# Allegro board BeagleBone_AI-64_Rev_B1_PCB_220602.brd (continued)
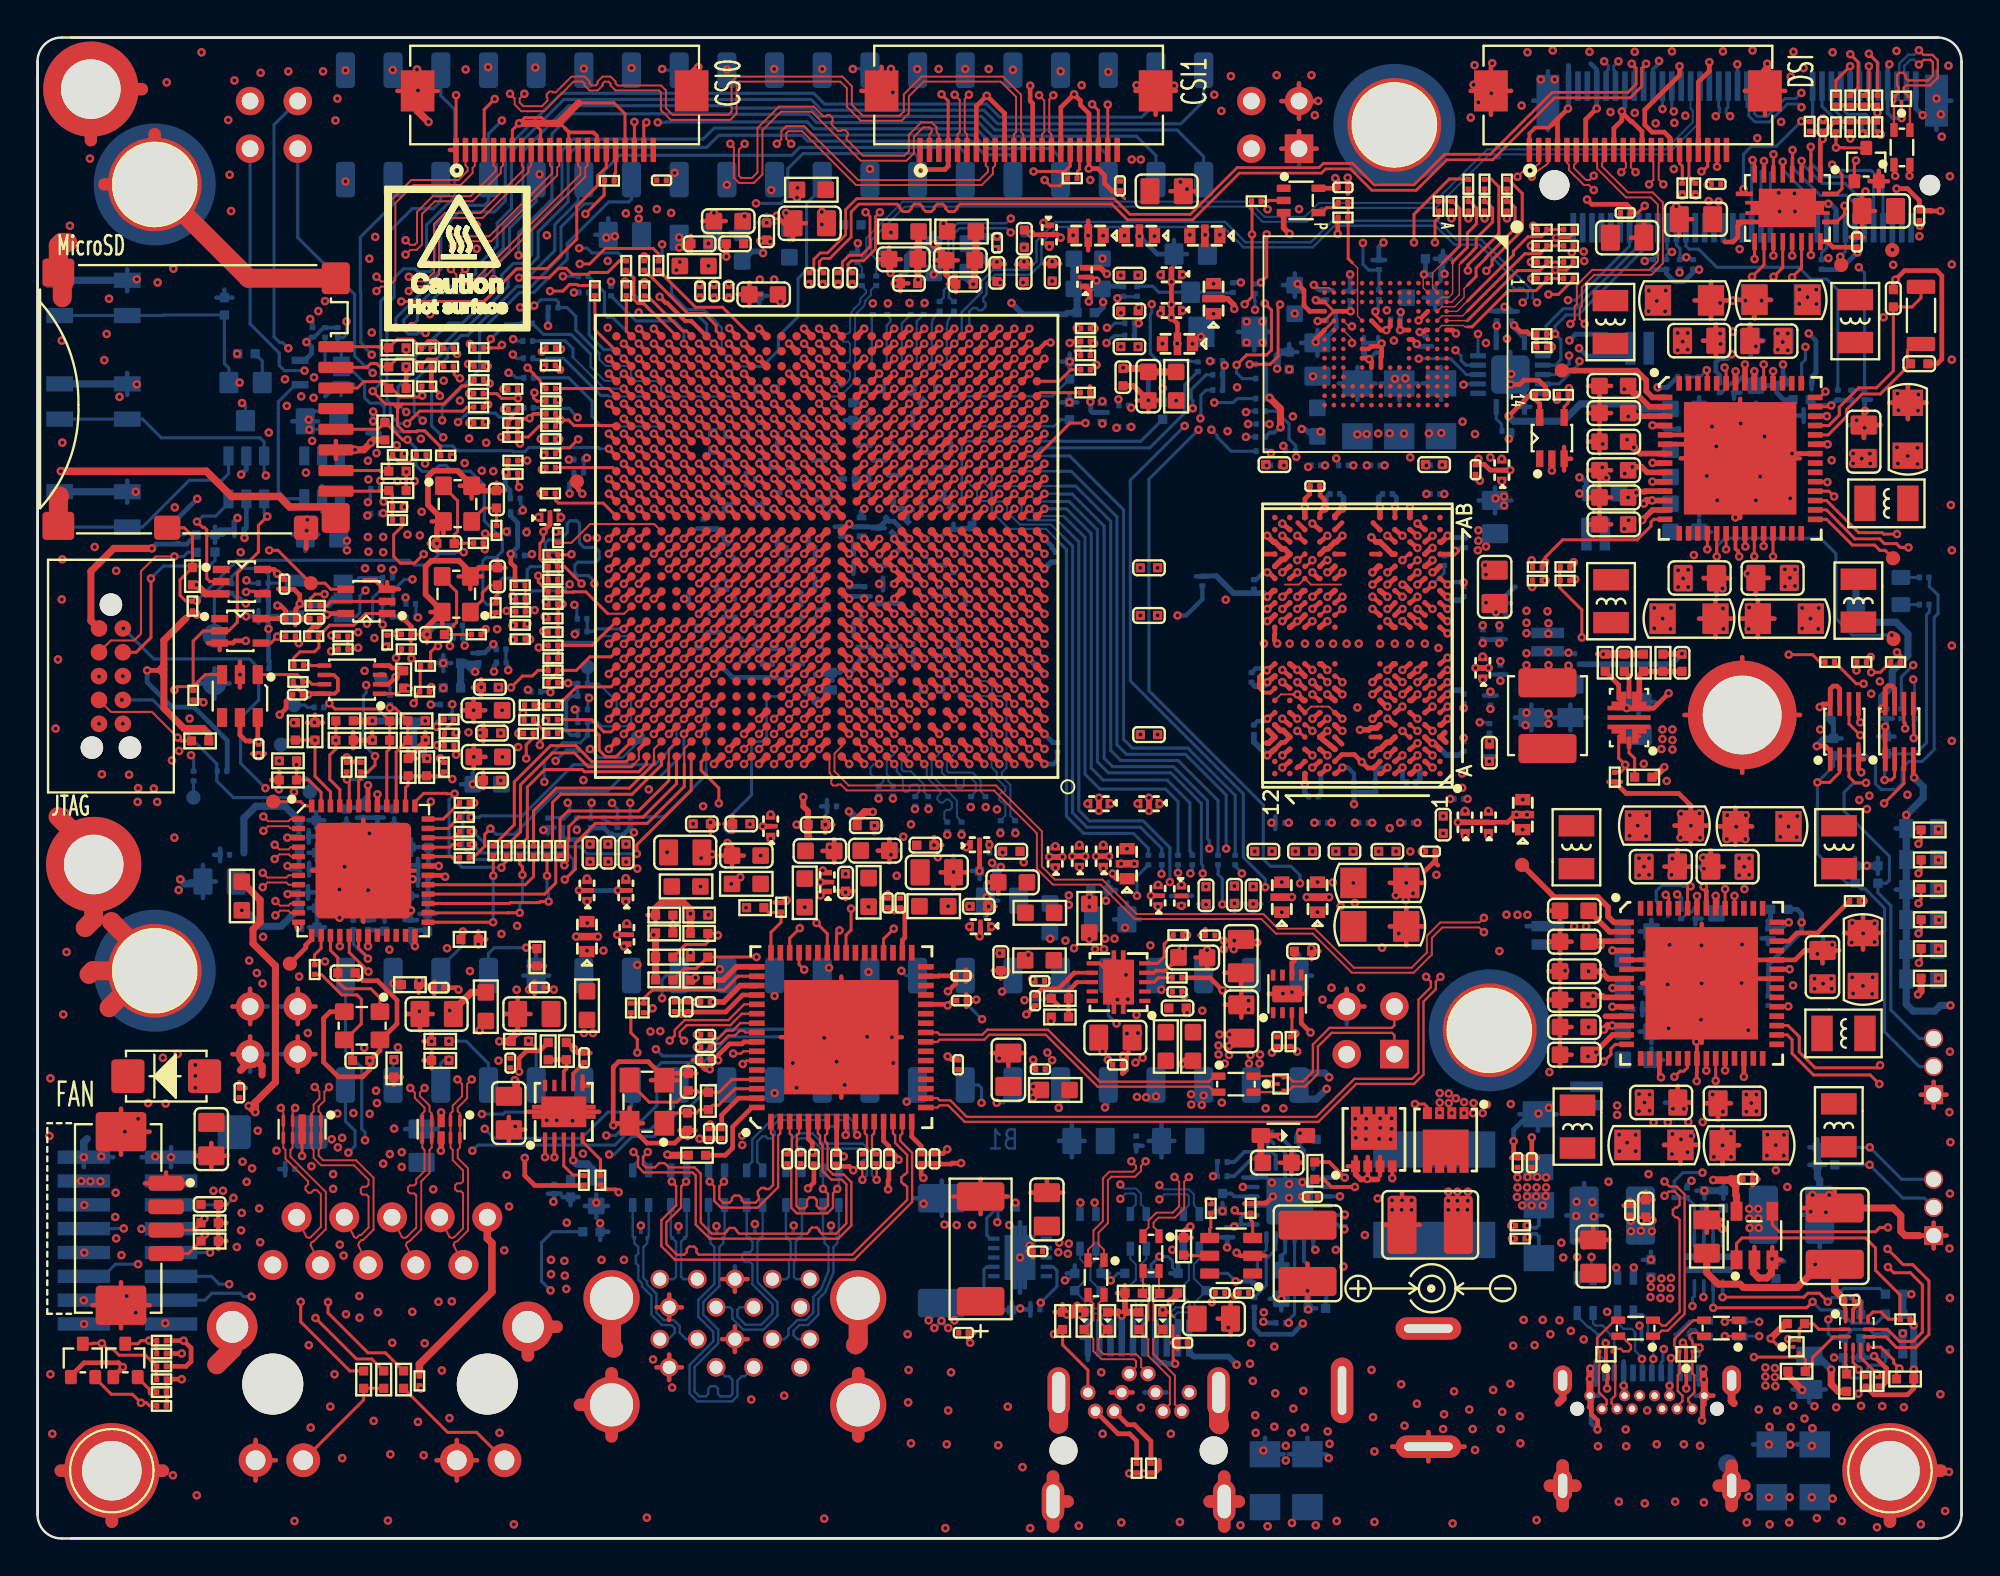
[diagram p0: board, top side]
## Nets (continued)
TX_D1: R249.2 U15.27
TX_D2: R237.2 U15.26
TX_D3: R225.2 U15.25
TXD: R375.2 U31.5
TYPEC_VBUS_5V: C11.1 C21.1 J5.A4 J5.A9 J5.B4 J5.B9(VBUS#B9) R306.1 R354.1 R355.1 U1.2
U2_AF28: P9.28 R69.2 R131.2
U2_SPI7_CS0: R69.1 U19.U2
U3_AB26: P9.31 R77.2 R254.2
U3_SPI7_CLK: R77.1 U19.U3
U23_MCASP10_ACLKX: U19.U23 U32.20
U24_EHRPWM2_B: P9.16 U19.U24
U25_MCASP10_AXR3: U19.U25 U32.16
U26_MCASP10_AFSX: U19.U26 U32.18
U27_EHRPWM2_A: P9.14 U19.U27
U28_EHRPWM1_A: R151.1 U19.U28
U29_EHRPWM1_B: R250.1 U19.U29
U29_FB_B4: R18.1 R23.2 U29.50
U30_FB_B3: R13.1 R15.2 U30.49
UART0_RXD: D4.2 J3.2 R353.1 R397.2 U31.2
UART0_TXD: D3.2 J3.3 U31.3
USB0_DATA_N: L1.1 U19.AJ5
USB0_DATA_P: L1.4 U19.AH6
USB0_ID: U19.AC6 U34.4
USB0_RCALIB: R81.1 U19.AB6
USB0_VBUS_SOC: R74.1 R79.1 U19.AC7
USB1_DN1_D_N: L9.1 U20.2
USB1_DN1_D_P: L9.4 U20.1
USB1_DN2_D_N: L8.1 U20.10
USB1_DN2_D_P: L8.4 U20.9
USB1_DN3_D_N: L26.4 U20.18
USB1_DN3_D_P: L26.1 U20.17
USB1_DN4_D_N: L14.1 U20.25
USB1_DN4_D_P: L14.4 U20.24
USB1_DRVVBUS: R71.2 R296.1 U19.U6
USB1_HUB_AUTOEN#: R287.2 R293.1 U20.45
USB1_HUB_D_N: U19.AH7 U20.54
USB1_HUB_D_P: U19.AJ6 U20.53
USB1_HUB_FULLPWRMGMT#: R291.1 U20.40
USB1_HUB_GANGED: R292.1 R310.2 U20.42
USB1_HUB_PWRCTR_POL: R285.1 R286.2 U20.41
USB1_HUB_R1: R290.2 U20.64
USB1_HUB_TEST: R294.1 U20.49
USB1_HUB_VBUS: R296.2 R297.2 U20.48
USB1_HUB_XI: C350.2 R295.1 U20.62 X4.1
USB1_HUB_XO: C351.2 R295.2 U20.61(XO) X4.3
USB1_ID: R80.1 U19.AD7
USB1_RCALIB: R90.1 U19.AD9
USB1_SSRX_DN1_N: L11.1 U20.7
USB1_SSRX_DN1_P: L11.4 U20.6
USB1_SSRX_DN2_N: L10.1 U20.15
USB1_SSRX_DN2_P: L10.4 U20.14
USB1_SSTX_DN1_N: C534.2 L6.1
USB1_SSTX_DN1_P: C533.2 L6.4
USB1_SSTX_DN2_N: C536.2 L7.1
USB1_SSTX_DN2_P: C535.2 L7.4
USB1_VBUS_SOC: R70.1 R71.1 U19.AD8
USBA_SS_RX_N: C532.1 U19.AH12
USBA_SS_RX_P: C531.1 U19.AJ11
USBA_SS_TX_N: C188.2 U20.59
USBA_SS_TX_P: C177.2 U20.58
USBC_CC1: D47.3(IO2) J5.A5 R25.1 U21.1
USBC_CC2: D47.2 J5.B5 R30.1 U21.2
USBC_DATA_CONN_N: D46.2 J5.A7 J5.B7 L1.2
USBC_DATA_CONN_P: D46.3(IO2) J5.A6 J5.B6 L1.3
USBC_SS_RX1_CONN_N: D44.3(IO2) J5.B10 L27.3
USBC_SS_RX1_CONN_P: D44.2 J5.B11 L27.2
USBC_SS_RX1_N: L27.4 U19.AH10
USBC_SS_RX1_P: L27.1 U19.AJ9
USBC_SS_RX2_CONN_N: D5.3(IO2) J5.A10 L30.3
USBC_SS_RX2_CONN_P: D5.2 J5.A11 L30.2
USBC_SS_RX2_N: L30.4 U19.AH9
USBC_SS_RX2_P: L30.1 U19.AJ8
USBC_SS_TX1_CONN_N: D45.2 J5.A3 L28.2
USBC_SS_TX1_CONN_P: D45.3(IO2) J5.A2 L28.3
USBC_SS_TX1_N: C538.2 L28.1
USBC_SS_TX1_P: C537.2 L28.4
USBC_SS_TX2_CONN_N: D43.2 J5.B3 L29.2
USBC_SS_TX2_CONN_P: D43.3(IO2) J5.B2 L29.3
USBC_SS_TX2_N: C143.2 L29.1
USBC_SS_TX2_P: C132.2 L29.4
USD_PWR_EN: U5.3 U6.4(Y)
USER_PB: R162.2 U8.4 U10.3 U11.2 U27.2
VCAP_MCU_VDDS0: C275.1 U19.K23
VCAP_MCU_VDDS1: C227.1 U19.J18
VCAP_MCU_VDDS2: C248.1 U19.J19
VCAP_VDDS0: C136.1 U19.U7
VCAP_VDDS1: C256.1 U19.AB21
VCAP_VDDS2: C230.1 U19.Y18
VCAP_VDDS3: C262.1 U19.W21
VCAP_VDDS4: C271.1 U19.AA22
VCAP_VDDS5: C263.1 U19.R22
VCAP_VDDS6: C266.1 U19.V22
VDA_DLL_0V8: C492.1 FL3.1 FL23.1 FL26.1 U30.9
VDA_MCU_1V8: C237.1 C264.1 C265.1 C268.1 C277.1 C281.1 C282.1 C283.1 C284.1 C285.1 C329.1 C330.1 C331.1 C332.1 C333.1 C491.1 R20.1 R330.1 U19.G18 U19.H22 U19.M23 U19.N22 U19.P21 U19.P22 U30.7
VDA_PLL_1V8: C152.1 C160.1 C180.1 C182.1 C208.1 C223.1 C226.1 C239.1 C243.1 C254.1 C258.1 C360.1 C362.1 C366.1 C484.1 U19.H9 U19.L12 U19.M17 U19.P9 U19.R11 U19.R21 U19.W15 U19.W17 U19.W18 U19.Y20 U29.7
VDA_USB_3V3: C170.1 C240.1 C365.1 C486.1 U19.AB10 U29.11
VIO_VIN: C15.1 C20.1 R6.1 R7.2 R337.1 U29.48 U30.48
VMON_VEXT: TP8.1(TP) U19.V19
VMON_VSYS: C286.1 R141.1 R142.2 U19.M26
VOUT_LM5141: C548.2 R393.1 U3.17(VOUT)
VPP_EFUSE: TP2.1(TP) U19.AB11 U19.F17
VRTC_LEOA_1V8: C490.1 U30.3
VRTC_LEOB_1V8: C483.1 R362.1 U29.3
VSYS_3V3: C2.1 C5.1 C12.1 C13.1 C17.1 C18.1 C22.1 C23.1 C25.1 C26.1 C27.1 C28.1 C29.1 C31.1 C33.1 C34.1 C37.1 C38.1 C39.1 C40.1 C41.1 C42.1 C43.1 C46.1 C300.1 C310.1 C314.1 C316.1 C317.1 C318.1 C319.1 C320.1 C342.1 C447.1 C449.1 C456.1 C478.1 C480.1 C481.1 C501.1 C502.1 C508.1 C509.1 C512.1 C513.1 C516.1 C517.1 C521.1 C525.1 C543.1 C555.1 C556.1 D20.1 FL11.1 R7.1 R35.2 R47.1 R142.1 R162.1 R171.1 R173.1 R314.1 R393.2 U5.1 U8.5(VCC) U9.1 U9.2 U10.5 U10.6(VDD) U11.5 U12.5 U14.6 U14.8(VCC) U16.5 U18.4 U22.1 U23.1 U23.2 U23.4 U27.5 U28.1 U28.2(VIN) U29.4 U29.8 U29.10 U29.12 U29.17 U29.26 U29.35 U29.45 U29.54 U30.4 U30.8 U30.10 U30.12 U30.17 U30.26 U30.35 U30.45 U30.54
VSYS_5V0: C8.1 C44.1 C405.1 C406.1 C408.1 C421.1 C458.1 C459.1 C467.1 C498.1 C499.1 C546.1 C547.1 C551.1 C552.1 C553.1 C554.1 D21.1 J1.2 P9.7 P9.8 P9.E3 Q3.5 R56.1 R58.2 R384.1 R385.1 R394.1 R399.1 U1.1 U1.8 U3.15 U4.2 U9.4 U21.12(VDD)
VSYS_IO_1V8: C48.1 C67.1 C81.1 C83.1 C84.1 C93.1 C110.1 C110.3(OUTPUT) C137.1 C138.1 C253.1 C273.1 C338.1 C338.3(OUTPUT) C462.1 C522.1 R33.2 R36.1 R303.1 R320.1 R322.1 R324.1 R326.1 R328.1 R331.1 R332.1 R333.1 R334.1 R335.1 R336.1 R357.2 R358.1 R359.1 R360.1 R361.1 R363.1 R364.1 R366.1 R367.1 U2.1 U19.AA8 U19.AB7 U19.U20 U19.U22 U19.Y7 U24.5 U26.C6 U26.M4 U26.N4 U26.P3 U26.P5 U32.2
VSYS_IO_3V3: C51.2 C68.1 C72.1 C76.1 C78.1 C118.1 C122.1 C221.1 C224.1 C228.1 C229.1 C241.1 C245.1 C246.1 C257.1 C259.1 C260.1 C261.1 C267.1 C269.1 C270.1 C272.1 C274.1 C278.1 C280.1 C280.3(OUTPUT) C302.1 C309.1 C313.1 C348.1 C353.1 C359.1 C361.1 C367.1 C367.3(OUTPUT) C396.1 C404.1 C409.1 C410.1 C410.3(OUTPUT) C416.1 C416.3(OUTPUT) C419.1 C434.1 C439.1 C446.1 C496.1 C497.1 C507.1 C510.1 C511.1 C520.1 C523.2 C526.1 C530.1 C545.1 C549.1 C550.1 D50.1 D51.1 FL10.1 FL22.2 J4.2 J4.4 J4.72 J4.74 J11.1 J13.22 J15.22 J16.22 P9.3 P9.4 Q5.1 Q6.1 R5.1 R8.1 R10.1 R15.1 R19.2 R21.1 R23.1 R27.1 R28.1 R50.1 R51.1 R52.1 R54.1 R63.1 R64.1 R65.1 R75.1 R76.1 R82.1 R85.1 R102.2 R106.1 R107.1 R111.1 R112.1 R115.1 R118.1 R121.1 R124.1 R133.1 R134.1 R136.1 R137.1 R139.1 R143.1 R147.1 R152.1 R153.1 R155.1 R157.1 R160.1 R161.1 R163.1 R165.1 R169.1 R199.1 R209.1 R228.1 R229.1 R231.1 R232.1 R235.1 R236.1 R241.1 R247.1 R258.1 R268.1 R270.1 R272.1 R276.1 R286.1 R287.1 R310.1 R311.1 R329.1 R365.1 R374.1 R376.1 R380.1 R381.1 R382.1 R383.1 U2.14(VCCB) U6.5 U7.4 U19.AA17 U19.AA19 U19.AA20 U19.AA21 U19.AB16 U19.AB18 U19.AC17 U19.AC19 U19.AC20 U19.H19 U19.H21 U19.J20 U19.J22 U19.K21 U19.L22 U19.M22 U19.U8 U19.V7 U19.V21 U19.W22 U19.Y22 U23.7 U23.8(VOUT_2) U26.E6 U26.F5 U26.J10 U26.K9 U31.7 U31.8(VCC) U32.19(VCCB) U33.7 U33.8(VCC) U34.5(VCC)
VSYSMON_RESET#: R171.2 U10.1 U14.7
W1_PCIE1_M.2_CLKREQ#: J4.53 U19.W1
W2_PCIE1_M.2_WAKE#: J4.55 U19.W2
W3_USBC_DIR: R380.2 U19.W3 U21.4
W4_SEL_SDIO_3V3_1V8: R10.2 U19.W4 U29.33
W5_AF29: P9.19 R72.2 R222.2
W5_I2C2_SCL/MCAN0_RX: R72.1 U19.W5
W6_AE25: P9.20 R73.2 R223.2
W6_I2C2_SDA/MCAN0_TX: R73.1 U19.W6
W23_FAN_PWM: Q5.2(S) R382.2 U19.W23
W24_CSI1_GPIO2: R300.1 U19.W24
W25_DSI_GPIO2: R351.1 U19.W25
W26_AUDIO_EXT_REFCLK2: R150.1 U19.W26
W27_CSI0_GPIO2: R279.1 U19.W27
W28_FAN_TACH: Q6.2(S) R383.2 U19.W28
W29_CSI0_GPIO1: J13.17 U19.W29
WKUP_I2C0_SCL: R147.2 R378.1 U7.1 U19.J25
WKUP_I2C0_SDA: R134.2 R379.1 U7.3 U19.H24
WKUP_LFOSC0_XI: R2.1 R3.1 U19.N28
WKUP_OSC0_XIN: R226.1 U19.M29
WKUP_OSC0_XOUT: R217.1 U19.M27
WKUP_UART0_RXD: D2.2 J2.2 R356.1 R398.2 U33.2
WKUP_UART0_TXD: D1.2 J2.3 U33.3
Y1_AF24: P9.26 R49.2 R251.2
Y1_UART2_RXD: R49.1 U19.Y1
Y2_I2C6_SDA: R57.1 U19.Y2
Y3_UART0_CTSN: R67.1 U19.Y3
Y5_AJ24: P9.24 R62.2 R283.2
Y5_UART2_TXD: R62.1 U19.Y5
Y6_I2C1_SCL: J15.20 R50.2 U19.Y6 U21.8
Y23_M.2_SDIO_RESET#: Q4.1 U19.Y23
Y24_PRG0_UART0_RXD: P8.28 U19.Y24
Y25_SYS_BOOTMODE3: P8.46 R135.1 R136.2 U19.Y25
Y26_I2C5_SCL: J13.20 R236.2 U19.Y26
Y27_AD21: P8.37 R206.2 R224.2
Y27_UART5_TXD: R206.1 U19.Y27
Y28_LED_USR2: R370.1 U19.Y28
Y29_AJ20: P8.38 R256.2 R284.2
Y29_UART5_RXD: R256.1 U19.Y29
N23139394: D7.3 R58.1 R74.2
N23154805: R239.1 U19.H23
N23154817: R240.1 U19.J24
N26386249: U8.6 U12.2
N28594462: R362.2 U29.40
N31293874: R172.2 R173.2 U16.1
N31698105: Q2.4(G) R60.2 R61.2
N31698113: L2.2 R35.1 R392.2
N32406105: R314.2 U22.4
N33582225: J9.11 R191.1
N33582357: J9.13 R183.1 R186.1
N33671782: LED1.1 R368.2
N33671784: LED2.1 R369.2
N33671786: LED3.1 R370.2
N33671788: LED4.1 R371.2
N33671790: LED6.1 R365.2
N33672000: LED5.1 R372.2
N34010319: R21.2 R26.1 U1.9(ST)
N34590391: Q1.2(S) R157.2
N34695237: J16.17 R349.2
N34695277: J16.18 R351.2
N34695383: J13.18 R279.2
N34701786: R319.1 U24.4(Y)
N34701949: R316.2 U24.2
N34747984: R357.1 U32.10
N35300913: R172.1 U14.5
N35690331: J15.18 R300.2
N36080869: R36.2 U2.8
N37161279: R306.2 U21.3
N37161524: R313.2 R394.2 U21.5
N37181608: R381.2 U21.9 U34.1
N37556084: R395.2 U29.51(VSYS_SENSE)
N37556587: R396.2 U30.51(VSYS_SENSE)
N37616619: C88.1 R45.2
N37681507: D50.2(C) R397.1
N37681630: D51.2(C) R398.1

Pads without a net: D7 2; J4 38 40 42 44 46 48 64 66 68 70 71 73; J5 A8 B8; J6 3; J9 10; MH7 1; U2 6 9; U4 3 5 6 8; U5 4; U10 4; U11 1; U12 1; U14 3; U15 20 21 22 23; U19 AA23 AC1 AC3 AD1 AD2 AD3 AD4 AD6 AD10 AD12 AD16 AE2 AE6 AE9 AE11 AE17 AF6 AF7 AF13 AF18 AF19 AG5 AG6 AG12 AG17 AG18 AH3 AH4 AH13 AH18 AH19 AJ2 AJ3 AJ12 AJ17 AJ18 AJ29 B22 B23 C6 C7 C9 C10 C21 C22 D5 D6 D8 D9 D20 D21 D22 E6 E7 E8 E18 E19 E20 E21 F6 F10 F11 F13 F18 F19 F20 F21 F22 G9 G10 G19 G20 G21 L6 L24 L25 L26 L27 L29 M24 M25 N6 N24 N25 N26 P26 R27 R28; U20 19 20 22 23 26 27 29 30 32 33 35 37 38 39 43 44 47 60; U24 1; U25 A1 A2 A11 A12 AA1 AA12 AB1 AB2 AB11 AB12 B1 B12 G11 K5 K8 N5 N8; U26 A1 A2 A7 A8 A9 A10 A11 A12 A13 A14 B1 B7 B8 B9 B10 B11 B12 B13 B14 C1 C3 C5 C7 C8 C9 C10 C11 C12 C13 C14 D1 D2 D3 D4 D12 D13 D14 E1 E2 E3 E5 E8 E9 E10 E12 E13 E14 F1 F2 F3 F10 F12 F13 F14 G1 G2 G3 G10 G12 G13 G14 H1 H2 H3 H12 H13 H14 J1 J2 J3 J12 J13 J14 K1 K2 K3 K6 K7 K10 K12 K13 K14 L1 L2 L3 L12 L13 L14 M1 M2 M3 M7 M8 M9 M10 M11 M12 M13 M14 N1 N3 N6 N7 N8 N9 N10 N11 N12 N13 N14 P1 P2 P7 P8 P9 P10 P11 P12 P13 P14; U27 1; U29 18 19 25 29 32 39 41 52; U30 52

## Via types
v1: diameter 0.457, hole 0.203, TOP to BOTTOM, 3170 vias

## Routing (per net, layer and track width the routed paths; a pad name or vN(x,y) marks a point on that pad's centre or on a via; arc(x,y) is an arc through that point)
GND: length 2482.2
  TOP w0.076: v1(67.99,66.81) 68.14,66.67 68.81,66.67 U26.N2
  TOP w0.102: U25.G12 66.24,44.99 66.85,44.99 66.88,44.96 67.07,44.96 67.11,44.99
  TOP w0.152: U26.N5 U26.P6
  TOP w0.165: 66.75,26.21 R317.2 ; J13.4 23.8,76.16 v1(24.36,76.72) ; J13.19 31.3,75.93 30.71,76.52 28.83,76.52 ; v1(60.6,9.31) 60.6,9.39 60.5,9.49 60.5,11.35 ; R267.2 27.18,46.27 ; 27.18,46.27 26.66,46.27 26.36,45.97 25.84,45.97 v1(25.22,45.36) ; 27.18,46.27 27.18,46.92 R271.2 ; v1(25.65,75.43) 25.3,75.07 J13.7 ; v1(25.65,75.43) 25.75,75.33 26.54,75.33 26.8,75.07 J13.10 ; v1(25.65,75.43) 25.96,75.73 26.85,75.73 27.25,75.33 27.94,75.33 28.1,75.16 ; v1(48.16,76.98) 48.51,76.62 J15.4 ; v1(35.35,36.26) 35.39,36.3 C349.2 35.84,36.57 v1(35.94,36.47) ; 27.17,42.9 27.17,42.92 27.1,42.92 26.45,43.57 26.45,43.63 R246.2 ; 27.17,42.9 27.19,42.92 R261.2 ; 27.17,42.9 26.76,42.49 v1(26.76,42.29) ; C492.2 83.21,56.94 v1(83.36,57.09) ; v1(27.02,49.14) 27.05,49.11 27.1,49.11 27.18,49.03 ; 84.86,70.65 85.24,70.65 v1(85.62,71.04) ; 53.04,25.01 v1(53.04,25.52) 53.15,25.41 53.15,25.02 ; C472.2 76.61,57.4 v1(76.76,57.55) ; v1(26.95,53.66) 26.95,53.23 26.91,53.2 26.91,53.18 26.76,53.03 26.76,52.2 27.17,51.79 ; 34.87,25.49 34.9,25.52 C357.2 ; 67.77,55.92 67.8,55.95 C460.2 ; v1(12.86,39.93) 12.88,39.95 R168.2 ; 47.01,73.16 J15.1 ; v1(57.76,11.88) 57.88,11.88 ; v1(57.83,25.72) 57.83,25.54 57.81,25.52 57.81,25.25 ; v1(99.3,75.71) 99.3,76.14 99.3,76.15 D42.1 ; R238.2 25.44,50.8 ; v1(25.7,58.36) 25.6,58.47 25.6,58.71 26.14,58.71 26.72,59.28 R259.2 ; R263.2 27.17,51.11 27.17,51.79 ; C322.2 v1(17.7,25.47) ; 60.5,11.83 60.27,12.06 D39.2 ; C344.2 v1(30.41,36.07) ; D33.1 v1(23.48,31.67) ; 98.16,8.1 98.14,8.12 R313.1 ; 28.76,44.17 28.74,44.19 v1(28.62,44.19) ; C343.2 v1(29.44,36.06) ; v1(39.9,34.03) 39.8,33.93 39.61,33.93 ; R262.2 27.17,51.79 ; C356.2 35.06,28.59 v1(35.07,28.6) ; 33.93,28.62 C4.2 ; v1(92.33,10.66) 92.78,10.21 93.54,10.21 D47.1 ; R218.2 v1(22.99,61.02) ; 89.27,20.95 v1(89.77,20.95) ; C419.2 57.67,71.66 57.91,71.42 ; R178.2 15.83,47.4 15.72,47.29 v1(15.64,47.29) ; J13.1 v1(22.3,76.93) ; C354.2 v1(35.85,38.17) ; D40.1 v1(65.66,24.23) ; C481.2 80.31,61.18 80.34,61.21 ; C355.2 35.3,28.6 ; v1(83.39,58.34) 83.26,58.46 C491.2 ; U13.8 v1(14.09,20.39) ; J13.13 28.3,74.97 ; C346.2 v1(31.35,36.06)
  TOP w0.203: 92.38,14.9 v1(92.4,14.9) ; 66.03,26.21 66.03,26.18 v1(65.76,25.9) ; v1(87.65,10.43) 87.82,10.27 D44.1 87.82,8.68 87.83,8.67 v1(87.83,7.99) ; D29.1 19.64,56.84 v1(19.65,56.85) ; v1(90.65,52.34) 90.6,52.39 90.6,52.61 90.45,52.76 U30.21 ; 80.64,75.33 80.52,75.2 79.79,75.2 79.47,74.89 J16.1 ; v1(67.1,25.95) 66.85,26.21 66.75,26.21 ; v1(83.54,10.41) 83.55,10.39 D43.1 83.55,9.11 83.65,9.01 83.65,8.48 83.61,8.44 v1(83.61,7.99) ; U18.11 56.59,30.65 U18.6 ; U21.11 96.72,12.21 96.9,12.39 v1(96.9,12.84) 97.12,12.62 U21.10 ; v1(88.36,26.48) 88.4,26.45 U29.21 88.4,24.84 88.39,24.83 v1(88.39,24.38) ; 28.1,75.16 28.32,74.95 29.61,74.95 29.8,74.77 J13.16
  TOP w0.229: v1(37.63,62.08) 38.03,61.68 U19.AF20 ; U19.AF25 34.03,61.68 v1(33.63,62.08)
  TOP w0.241: 84.5,17.75 C498.2 ; C498.2 85.17,17.75 ; C498.2 84.83,18.06 ; 60.35,71.81 C434.2 61.73,71.81 ; 20.93,49.38 X2.4 21.56,48.7 ; C494.2 83.83,54.05 ; C494.2 83.21,54.68 ; C494.2 82.59,54.05 ; X2.2 23.68,51.28 ; X2.2 22.43,51.28 ; X2.2 23.06,50.6 ; 18.62,50.98 U16.3 19.25,50.6 ; 81.32,56.92 U27.3 ; U27.3 81.7,57.55 ; U27.3 81.32,58.18 ; Q4.2 98.58,72.34 ; Q4.2 97.59,72.34 ; Q4.2 98.09,71.78 ; Q4.2 98.09,72.9 ; C365.2 38.54,66.31 ; C365.2 37.92,66.93 ; C365.2 37.3,66.31 ; C365.2 37.92,65.69 ; C519.2 91.65,50.02 ; C519.2 92.53,49.03 ; C519.2 91.65,48.04 ; C519.2 90.77,49.03 ; J9.14 12.69,4.17 ; J9.14 11.62,3.09 ; J9.14 11.62,5.25 ; 78.5,20.29 C478.2 79.18,20.29 ; 21.32,77.16 J13.24 19.17,77.16 ; 92.02,75.88 J16.23 ; J16.23 93.1,77.16 ; J16.23 90.95,77.16 ; 77.42,75.88 J16.24 ; J16.24 77.42,78.44 ; J16.24 76.35,77.16 ; J16.24 78.5,77.16 ; 50.68,67.92 C395.2 51.54,67.92 ; R175.2 14.78,43.91 ; R175.2 15.21,43.48 ; R175.2 14.35,43.48 ; 20.73,29.52 D30.1 20.3,29.09 ; C525.2 97.28,60.04 ; C525.2 98.16,59.35 ; C525.2 97.28,58.66 ; 89.43,50.32 C509.2 ; C509.2 88.75,51.2 ; C509.2 90.12,51.2 ; 51.31,29.84 C399.2 ; C399.2 50.88,30.27 ; C399.2 51.74,30.27 ; 33.65,11.64 J8.13 ; J8.13 34.33,12.32 ; J8.13 33.65,13 ; J8.13 32.97,12.32 ; C545.2 91.68,19.16 ; C545.2 91.36,18.82 ; C545.2 91.36,19.49 ; C505.2 89.15,66.98 ; C505.2 89.15,65 ; C505.2 90.03,65.99 ; C505.2 88.28,65.99 ; 10.78,45.36 v1(10.78,46.04) 10.78,46.73 ; 66.18,20.03 C453.2 ; C453.2 67.42,20.03 ; C453.2 66.8,20.65 ; C453.2 66.8,19.41 ; 48.79,18.23 50.24,18.23 ; 50.24,18.23 50.24,19.17 ; 50.24,18.23 50.24,17.29 ; 50.24,18.23 51.69,18.23 ; J6.2 74.09,5.67 ; J6.2 76.02,4.89 ; J6.2 74.09,4.12 ; J6.2 72.17,4.89 ; 35.85,37.66 C354.2 36.28,38.09 ; C489.2 83.83,61.43 ; C489.2 83.21,60.81 ; C489.2 82.59,61.43 ; 37.15,13.15 J8.16 ; J8.16 37.83,13.82 ; J8.16 36.47,13.82 ; 63.55,10.84 C443.2 ; C443.2 63.55,12.6 ; C443.2 62.87,11.72 ; 17.83,42.97 R185.2 17.41,42.55 ; 18.56,24.59 D24.1 ; D24.1 18.98,24.17 ; D24.1 19.41,24.59 ; J1.6 4.45,13.66 ; J1.6 2.92,12.43 ; J1.6 4.45,11.2 ; J1.6 5.97,12.43 ; C493.2 83.83,55.49 ; C493.2 83.21,56.11 ; C493.2 83.21,54.87 ; C493.2 82.59,55.49 ; 34.67,25.22 C351.1 35.09,24.79 ; 10.38,28.36 P9.46 ; P9.46 11.32,27.42 ; P9.46 11.32,29.3 ; C499.2 86.1,18.06 ; C499.2 85.67,18.48 ; C499.2 85.24,18.06 ; 24.5,52.17 C335.2 24.93,51.74 ; C506.2 89.39,50.02 ; C506.2 89.39,48.04 ; C506.2 90.27,49.03 ; C506.2 88.51,49.03 ; J1.5 4.45,22.91 ; J1.5 5.97,21.68 ; J1.5 4.45,20.45 ; 20.37,27.08 C326.2 ; C326.2 21.06,27.96 ; C326.2 19.69,27.96 ; 88.72,63.85 C508.2 ; C508.2 89.41,64.72 ; C508.2 89.41,62.97 ; U30.57 93.88,57.57 ; U30.57 90.7,60.75 ; U30.57 87.53,57.57 ; U30.57 90.7,54.4 ; v1(88.08,38) 88.95,38 ; v1(88.08,38) 87.2,38 ; v1(88.08,38) 88.08,37.01 ; 12.88,40.86 R168.2 12.45,40.43 ; 21,54.21 X3.2 21.63,53.53 ; R298.2 54.61,12.49 ; R298.2 55.04,12.06 ; R298.2 54.18,12.06 ; 24.45,56.28 C334.2 24.88,55.85 ; 80.48,31.81 C483.2 ; C483.2 81.1,31.19 ; C483.2 81.73,31.81 ; C483.2 81.1,32.43 ; 11.44,41.83 C316.2 12.11,41.83 ; 58.55,60.66 C427.2 ; C427.2 59.18,60.03 ; C427.2 59.8,60.66 ; 29.03,24.62 U9.6 29.33,24.14 ; C465.2 73.79,32.63 ; C465.2 72.92,33.63 ; C465.2 72.92,31.64 ; C465.2 72.04,32.63 ; 20.56,25.48 D32.1 ; D32.1 20.99,25.05 ; D32.1 20.99,25.91 ; 23.32,40.41 C333.2 ; C333.2 23.75,40.84 ; C333.2 23.75,39.98 ; P8.2 68.14,76.62 ; P8.2 67.2,77.56 ; P8.2 67.2,75.68 ; P8.2 66.26,76.62 ; 40.25,69.23 C369.2 40.94,70.1 ; 23.23,43.52 v1(23.23,44.15) ; v1(23.23,44.15) 23.23,44.77 ; v1(23.23,44.15) 22.6,44.15 ; v1(23.23,44.15) 23.85,44.15 ; 96.59,69.36 C523.1 ; C523.1 97.26,69.36 ; C523.1 96.92,69.68 ; 97,42.35 U33.4 97.31,41.53 ; 26.18,30.51 D35.1 27.03,30.51 ; P9.E4 69.74,29.3 ; P9.E4 68.8,28.36 ; P9.E4 70.68,28.36 ; MH8.1 93.89,43.89 ; MH8.1 87.73,43.89 ; MH8.1 90.81,40.81 ; MH8.1 90.81,46.97 ; C350.1 35.05,21.75 ; C350.1 34.62,21.32 ; C350.1 34.2,21.75 ; C491.2 83.21,59.08 ; C491.2 82.59,58.46 ; C491.2 83.21,57.84 ; C486.2 81.1,27.88 ; C486.2 81.73,27.26 ; C486.2 81.1,26.64 ; 69.8,72.35 C462.2 69.8,71.68 ; 81.1,25.16 C487.2 ; C487.2 81.73,25.79 ; C487.2 81.1,26.41 ; 33.65,8.44 J8.4 ; J8.4 32.97,9.12 ; J8.4 34.33,9.12 ; J8.4 33.65,9.8 ; 48.11,35.51 C387.2 ; C387.2 49.48,35.51 ; C387.2 48.8,34.63 ; 44.96,34.13 C323.2 45.3,34.45 ; 9.63,15.43 D49.1 ; D49.1 9.63,16.28 ; D49.1 10.06,15.85 ; 23.91,31.93 D33.1 23.48,32.36 ; 52.98,67.92 C403.2 52.13,67.92 ; 87.38,24.12 C502.2 88.07,23.24 ; 91.21,64.7 C516.2 91.9,63.82 ; J2.1 101.01,24.34 ; J2.1 101.01,22.97 ; J2.1 101.7,23.65 ; J2.1 100.33,23.65 ; C391.2 51.03,33.69 ; C391.2 50.61,34.12 ; C391.2 50.61,33.26 ; 15.9,57.54 J12.6 ; J12.6 17.01,58.02 ; J12.6 15.9,58.5 ; 9.26,19.71 C555.2 ; C555.2 10.13,20.4 ; C555.2 9.26,21.08 ; C555.2 8.38,20.4 ; 80.48,28.71 C485.2 ; C485.2 81.1,28.08 ; C485.2 81.1,29.33 ; C485.2 81.73,28.71 ; 32.92,32.8 R285.2 32.5,33.23 ; C528.2 99.64,61.41 ; C528.2 98.65,60.53 ; C528.2 100.63,60.53 ; C528.2 99.64,59.66 ; 88.92,16.3 R399.2 88.92,17.67 ; C490.2 83.83,59.98 ; C490.2 82.59,59.98 ; C490.2 83.21,60.61 ; C490.2 83.21,59.36 ; v1(23.24,41.66) 23.24,42.28 ; v1(23.24,41.66) 23.24,41.03 ; v1(23.24,41.66) 23.86,41.66 ; 87.46,69.44 C507.2 88.15,70.32 ; U20.65 42.82,29.95 ; U20.65 39.59,26.72 ; U20.65 42.82,23.49 ; U20.65 46.05,26.72 ; 41.82,36.65 C372.2 ; C372.2 42.44,36.02 ; C372.2 42.44,37.27 ; 71.74,16.72 C467.2 ; C467.2 73.64,16.72 ; C467.2 72.69,18.45 ; 94.01,17.61 C546.2 95.74,18.57 ; 21.13,29.02 C327.2 ; C327.2 20.82,29.36 ; C327.2 21.13,29.69 ; 89.15,36.68 C512.2 89.83,35.81 ; 49.58,10.63 C384.2 49.9,10.96 ; 83.94,47.14 R344.2 83.08,47.14 ; 52.71,15.31 C408.2 53.03,14.97 ; 97.24,31.39 C524.2 ; C524.2 96.25,32.27 ; C524.2 98.24,32.27 ; C524.2 97.24,33.15 ; 28.78,25.88 C539.2 29.46,25.88 ; 57.5,13.07 R307.2 57.93,13.5 ; 95.09,30.66 C521.2 95.96,31.34 ; 10.38,25.82 P9.45 11.32,26.76 ; 70.22,20.33 Q2.1 69.8,19.84 ; 21.97,74.01 J13.1 22.3,73.18 ; J15.23 60.64,77.16 ; J15.23 59.56,75.88 ; J15.23 58.49,77.16 ; 49.02,68.13 C389.2 47.78,68.13 ; 44.74,68.18 C382.2 ; C382.2 45.37,68.81 ; C382.2 45.99,68.18 ; 68.3,31.3 C455.2 67.88,30.87 ; 54.48,67.95 C411.2 53.62,67.95 ; 83.21,56.31 C492.2 ; C492.2 82.59,56.94 ; C492.2 83.83,56.94 ; 65.42,15.07 U22.2 64.04,15.07 ; 70.87,20.33 Q2.2 70.87,19.34 ; 50.56,34.97 C401.2 51.18,34.35 ; 89.27,7.61 J5.B12 88.8,7.13 ; U34.3 92.42,15.54 ; U34.3 92.42,14.16 ; U34.3 92.91,14.85 ; 67.66,14.65 C458.2 67.66,12.74 ; 20.65,42.12 R197.2 20.65,42.97 ; 23.13,55.43 X3.4 ; X3.4 23.75,56.11 ; X3.4 22.5,56.11 ; 26.16,29.37 C337.2 ; C337.2 26.48,29.7 ; C337.2 26.48,29.03 ; P8.1 68.14,74.08 ; P8.1 67.2,75.02 ; P8.1 66.26,74.08 ; 81.1,29.61 C484.2 ; C484.2 81.1,30.85 ; C484.2 80.48,30.23 ; C397.2 49.77,29.99 ; C397.2 49.45,30.33 ; C397.2 49.45,29.66 ; 25.11,21.1 C315.2 ; C315.2 25.11,22.48 ; C315.2 25.98,21.79 ; 62.21,32.49 C439.2 61.9,32.15 ; J9.12 22.34,5.25 ; J9.12 21.26,4.17 ; J9.12 22.34,3.09 ; J9.12 23.41,4.17 ; C513.2 90.21,23.19 ; C513.2 89.53,22.32 ; C513.2 88.84,23.19 ; 9.63,16.39 D48.1 ; D48.1 10.06,16.82 ; D48.1 9.63,17.25 ; v1(72.92,34.94) 73.79,34.94 ; v1(72.92,34.94) 72.04,34.94 ; v1(72.92,34.94) 72.92,33.95 ; 35.41,70.22 C360.2 36.66,70.22 ; 63.23,30.15 C446.2 64.11,29.47 ; 56.06,61.41 R301.2 56.06,60.74 ; 48.49,66.86 C390.2 ; C390.2 48.92,66.43 ; C390.2 48.92,67.29 ; 13.49,50.61 C317.2 12.82,50.61 ; C500.2 88.39,20.97 ; C500.2 86.64,20.97 ; C500.2 87.52,19.97 ; 20.56,26.5 v1(20.99,26.5) 20.99,26.92 ; 37.15,9.95 J8.7 ; J8.7 37.15,11.3 ; J8.7 36.47,10.62 ; J8.7 37.83,10.62 ; 60.75,10.09 C440.2 ; C440.2 60.43,10.43 ; C440.2 60.75,10.76 ; 85.57,70.21 C497.2 84.88,69.33 ; 52.89,18.43 C405.2 ; C405.2 53.77,19.12 ; C405.2 54.65,18.43 ; 61.49,16.03 R312.2 60.63,16.03 ; C379.2 45.38,37.28 ; C379.2 44.76,36.66 ; C379.2 45.38,36.04 ; 25.58,27.08 C336.2 ; C336.2 24.89,27.96 ; C336.2 25.58,28.83 ; C336.2 26.27,27.96 ; 67.55,29.03 U23.9 65.59,29.03 ; 34.81,68.58 C352.2 ; C352.2 34.81,69.43 ; C352.2 34.38,69.01 ; U15.49 17.35,38.33 ; U15.49 20.08,35.6 ; U15.49 17.35,32.87 ; U15.49 14.63,35.6 ; 43.89,77.16 J15.24 44.96,78.44 ; 9.07,47.73 U11.3 9.7,47.35 ; 10.06,17.8 C406.2 9.63,17.37 ; 48.19,36.95 C386.2 47.76,37.38 ; 43.05,34.07 C376.2 ; C376.2 43.48,34.5 ; C376.2 42.62,34.5 ; 23.75,42.5 C332.2 23.75,43.36 ; 89.28,16.98 89.8,16.98 ; 13.73,48.68 C318.2 13.73,49.36 ; 36.6,38.09 C363.2 ; C363.2 37.03,37.66 ; C363.2 37.03,38.52 ; C501.2 88.05,35.81 ; C501.2 86.68,35.81 ; C501.2 87.37,36.68 ; 32.68,24.43 X4.2 34.1,24.43 ; 49.48,29.01 C398.2 49.48,28.33 ; 81.1,32.84 C482.2 80.48,33.46 ; 23.64,44.94 v1(23.64,45.37) ; v1(23.64,45.37) 23.64,45.8 ; v1(23.64,45.37) 23.21,45.37 ; J1.1 7.97,18.93 ; J1.1 6.85,19.51 ; J1.1 5.72,18.93 ; 63.25,28.45 C447.2 ; C447.2 64.13,27.76 ; C447.2 64.13,29.13 ; 20.85,53.03 v1(21.27,53.03) 21.27,52.6 ; J3.1 101.01,16.83 ; J3.1 100.33,16.14 ; J3.1 101.7,16.14 ; J3.1 101.01,15.46 ; 57.17,7.78 J7.8 58.34,7.78 ; 84.36,40.33 R345.2 83.68,40.33 ; 39.95,33.9 R297.1 39.27,33.9 ; 31.54,22.97 X4.4 32.25,22.13 ; 97.2,69.88 C526.2 ; C526.2 97.2,71.63 ; C526.2 97.89,70.76 ; P9.44 14.8,28.36 ; P9.44 13.86,29.3 ; P9.44 13.86,27.42 ; 41.97,37.62 C370.2 ; C370.2 41.97,38.48 ; C370.2 42.4,38.05 ; 13.86,24.88 P9.43 ; P9.43 13.86,26.76 ; P9.43 14.8,25.82 ; 64.96,17.85 R315.2 64.29,17.85 ; 35.43,21.33 C358.2 36.1,21.33 ; 36.38,36.4 C364.2 ; C364.2 37,37.02 ; C364.2 37.62,36.4 ; C364.2 37,35.78 ; v1(88.65,29.59) 88.65,32.76 ; v1(88.65,29.59) 88.65,26.41 ; v1(88.65,29.59) 85.48,29.59 ; 91.46,15.54 U34.2 91.46,14.16 ; 91.54,50.32 C517.2 92.23,51.2 ; 79.94,20.29 C480.2 79.26,20.29 ; 90.46,36.97 C515.2 ; C515.2 91.33,37.96 ; C515.2 90.46,38.95 ; C515.2 89.58,37.96 ; C488.2 83.75,15.92 ; C488.2 82,15.92 ; C488.2 82.88,16.6 ; 89.77,19.96 v1(89.77,20.95) ; v1(89.77,20.95) 89.77,21.94 ; v1(89.77,20.95) 90.65,20.95 ; 61.68,30.97 C543.2 62.31,30.34 ; 45.96,66.47 C383.2 ; C383.2 45.96,67.33 ; C383.2 46.39,66.9 ; 20.17,41.57 R195.2 19.74,42 ; 19.89,47.85 R193.2 19.89,48.52 ; C518.2 92.35,66.02 ; C518.2 91.48,65.03 ; C518.2 90.6,66.02 ; 50.84,25.87 C407.2 ; C407.2 52.6,25.87 ; C407.2 51.72,25.19 ; 71.52,20.33 Q2.3 71.52,19.34 ; 20.75,47.75 v1(20.75,48.18) ; v1(20.75,48.18) 20.75,48.61 ; v1(20.75,48.18) 20.32,48.18 ; 55.97,68.66 v1(55.97,69.45) 55.97,70.24 ; 16.82,42.97 R180.2 16.82,42.12 ; 26.16,22.74 U9.11 29.91,22.74 ; 25.57,59.04 R233.2 25.57,58.37 ; 10.75,24.33 C556.2 11.09,24.01
  TOP w0.254: 100.87,70.78 100.25,70.78 100.25,71.31 99.61,71.95 v1(99.03,71.95) ; 100.87,70.78 100.89,70.76 v1(101.37,70.76) ; 100.87,70.78 100.84,70.76 C530.2 ; 89.15,30.08 v1(88.65,29.59) 87.9,30.34 ; 89.15,30.08 90.97,30.08 91.22,29.84 U29.36 ; 89.15,30.08 89.9,30.84 U29.38 93.63,30.84 94.13,31.34 C521.2 ; J5.B12 88.72,7.53 88.72,6.34 v1(88.67,6.29) ; v1(82.55,71.37) 82.8,71.11 84.66,71.11 84.86,70.91 84.86,70.65 ; U17.3 v1(21.5,22.71) ; 20.34,8.12 20.34,8.07 v1(20.42,7.99) ; v1(87.48,78.48) 87.48,78 85.62,76.15 85.62,75.35 86.01,74.96 86.66,74.96 86.97,74.64 J16.16 ; 80.97,75.66 80.64,75.33 ; 80.97,75.66 J16.4 ; 80.97,75.66 v1(81.53,76.22) ; R195.2 20.34,42.17 20.34,42.22 v1(20.67,42.56) ; C385.2 47.78,19.99 C324.2 48.13,19.98 ; 98.08,8.1 98.24,8.1 98.49,8.35 98.49,9.09 98.47,9.09 v1(97.84,9.72) ; C358.2 35.77,21.33 C247.2 ; v1(29.85,32.08) C341.2 v1(28.69,32.08) ; C347.2 v1(30.88,32.18) ; v1(75.56,64.23) 75.38,64.41 U26.A6 ; U30.5 88.75,58.82 v1(89.2,59.27) ; 36.45,21.3 35.77,21.3 35.76,21.31 v1(35.27,21.31) ; C470.2 v1(74.88,37.58) ; C541.2 61.19,28.05 v1(61.24,28.01) ; C371.2 41.36,18.97 v1(41.04,18.66) ; 57.81,24.81 57.83,24.81 58.01,24.98 58.01,25.8 58.11,25.9 ; 57.81,24.81 57.81,25.25 ; 57.81,24.81 57.78,24.78 ; v1(99.97,40.56) 99.93,40.6 U31.4 ; 13.57,44.96 13.24,44.62 13.24,44.25 v1(12.9,43.91) ; 13.57,44.96 13.59,44.97 C319.2 ; 13.57,44.96 13.57,44.97 ; J15.10 51.51,75.96 v1(50.57,76.9) 50.01,76.35 J15.7 ; 84.02,40.3 84.04,40.3 84.63,39.71 87.43,39.71 88.08,39.06 v1(88.08,38) ; 80.34,60.96 80.34,61.37 79.97,61.74 79.19,61.74 78.96,61.51 v1(78.48,61.51) ; 64.63,17.87 65.41,17.87 65.42,17.89 65.47,17.89 v1(65.81,18.23) ; v1(50.01,28.72) 49.96,28.67 49.5,28.67 ; 74.48,36.14 74.45,36.16 C468.2 ; 74.48,36.14 74.48,36.62 ; 74.48,36.14 73.87,35.53 ; 74.48,36.14 74.48,36 74.6,35.88 ; C507.2 87.46,70.85 v1(87.3,71.01) ; v1(49.2,20.01) 48.72,20.01 48.67,19.96 47.79,19.96 47.78,19.96 47.07,19.96 47.07,19.34 v1(47.19,19.22) ; 57.67,71.82 57.26,71.82 56.84,72.23 56.84,72.65 56.48,73.02 56.01,73.02 ; 56.09,61.07 v1(56.09,60.59) ; 49.04,25.53 48.7,25.53 48.54,25.7 v1(48.49,25.7) ; v1(67.52,54.96) 67.52,55.41 67.77,55.67 67.77,56.1 ; v1(52.67,27.93) 53.13,28.39 53.15,28.39 ; v1(93.47,57.83) 93.95,57.83 93.95,57.82 U30.36 ; v1(19.64,62.48) D26.1 D27.1 ; 69.82,72.02 69.82,72.48 69.8,72.51 v1(69.8,72.53) ; U26.K8 70.91,63.41 71.04,63.54 71.45,63.54 v1(71.6,63.69) 71.6,63.01 71.56,62.98 U26.H10 ; v1(78.64,21.17) 78.64,20.59 78.84,20.39 78.84,20.31 ; X1.2 15.59,28.08 15.24,27.73 15.24,25.39 16.03,24.6 17.31,24.6 17.7,24.99 v1(17.7,25.47) ; 84.4,76.01 84.4,75.59 83.97,75.16 J16.10 ; 84.4,76.01 84.89,75.52 84.95,75.52 85.47,74.99 J16.13 ; 84.4,76.01 v1(84.4,76.06) ; C392.2 50.18,36.05 50.18,36.05 v1(50.18,35.58) ; C350.1 33.95,21.07 32.47,21.07 31.54,22 X4.4 30.85,22.13 30.74,22.03 ; v1(58.16,3.47) 58.18,3.49 R308.1 58.88,3.49 v1(58.93,3.45) 58.97,3.49 R309.1 59.53,3.49 59.76,3.73 59.76,4.16 ; 13.76,49.02 14.51,49.02 C320.2 ; 13.76,49.02 C318.2 ; 13.76,49.02 14.49,49.02 ; 13.76,49.02 13.76,49.54 13.97,49.75 v1(13.97,49.81) 13.97,50.29 13.67,50.59 13.16,50.59 ; v1(89.06,78.69) 89.06,78.22 88.47,77.63 J16.19 ; U33.1 95.5,41.98 95.25,42.23 v1(94.79,42.23) ; 95.12,75.54 v1(95.12,75.68) ; v1(17.85,42.56) 17.38,42.56 17.36,42.55 R180.2 ; C383.2 v1(45.67,66.9) ; 30.74,22.03 30.74,22.1 30.67,22.18 30.67,25.12 30.96,25.42 32.53,25.42 33.39,24.56 X4.2 33.75,24.79 C351.1 ; 30.74,22.03 v1(30.67,22.03) ; 47.2,17.96 v1(47.2,17.84) ; U16.3 18.48,50.6 18.01,51.07 17.42,51.07 ; 33.93,28.62 35.05,28.62 v1(35.07,28.6) 35.3,28.6 ; v1(56.41,67.05) 56.34,67.05 56.16,67.23 C415.2 ; 87.9,30.34 U29.6 ; 87.9,30.34 87.4,30.84 U29.5 ; D22.1 v1(8.47,50.83) ; R293.2 v1(34.78,31.23) ; 35.3,25.52 35.3,25.26 35.56,25.01 v1(35.81,25.01) ; J12.9 14.31,52.79 14.32,52.77 ; U30.6 88.84,58.32 88.95,58.21 v1(89.43,58.21) ; v1(60.4,65.77) v1(60.4,66.98) ; v1(25.21,52.48) 25.21,52 25.44,51.78 25.44,50.8 ; v1(39.37,70.5) 39.37,70.49 39.75,70.1 C369.2 ; C437.2 60.73,64.75 v1(60.4,65.07) ; C340.2 v1(28.84,34.54) ; C441.2 62.19,69.47 v1(62.2,69.49) ; C527.1 98.86,66.98 v1(98.98,67.1) 99.46,67.58 101.17,67.58 101.45,67.3 101.45,62.85 101.21,62.61 C529.1 ; J11.3 v1(3.27,45.94) ; C374.2 v1(41.7,34.99) ; J15.16 54.51,76.27 v1(55.22,76.98) 55.55,76.64 55.55,76.41 56.01,75.95 J15.19 56.01,73.02 ; U31.1 98.43,42.79 98.42,42.8 v1(98.42,43.27) ; v1(78.45,56.94) C477.2 77.39,56.94 77.08,57.25 76.61,57.25 76.76,57.4 v1(76.76,57.55) ; C322.2 18.24,26.01 X1.4 18.29,26.58 19.15,27.44 19.15,28.69 18.11,29.73 17.33,29.73 C321.2 ; 89.89,69.1 90.32,69.1 90.57,69.36 90.57,69.97 90.78,70.17 U32.11 92.25,70.17 v1(92.81,70.73) ; v1(11.1,47.84) 10.52,47.84 10.41,47.73 U11.3 ; v1(19.42,49.1) 19.91,48.6 19.91,48.19 ; 56.01,73.02 v1(56,73.02) ; v1(83.11,5.81) 83.11,6.28 82.78,6.62 82.78,7.53 J5.B1 82.7,7.05 82.65,7 ; C367.2 v1(38.63,37.96) ; U14.4 18.74,46.53 18.87,46.4 19.36,46.4 R192.2 19.41,46.25 v1(19.07,45.91) 18.69,45.53 U14.2 ; v1(67.13,66.87) 67.47,66.53 67.47,65.72 67.78,65.41 U26.P4 ; 89.14,72.19 89.01,72.19 v1(88.97,72.15) ; v1(86.89,45.05) 86.1,44.26 U28.4 ; R312.2 61.06,16.37 61.31,16.63 v1(61.42,16.63) ; U19.G1 53.24,46.48 ; v1(20.34,28.1) 20.34,28.08 20.37,28.06 C326.2 ; U25.D11 66.43,42.44 66.28,42.44 U25.C12 ; v1(60.88,72.31) 60.86,72.28 60.86,72.18 61.04,71.99 C434.2 61.16,71.92 v1(61.24,71.92) ; C380.2 42.54,19.94 42.64,19.83 43.25,19.83 v1(43.46,19.63) ; C345.2 v1(30.92,34.54) ; C393.2 50.23,32.14 v1(50.19,32.1) ; R164.2 28.24,26.44 v1(28.57,26.1) 28.78,25.9 29.12,25.9 ; 47.01,73.16 47.21,72.97 48.33,72.97 48.51,73.14 J15.4 ; U26.C4 v1(73.57,64.92) ; U33.4 97,40.99 v1(97.15,40.83) ; C426.2 v1(58.7,69.41) ; v1(19.65,56.85) 19.66,56.85 19.66,56.94 19.64,56.92 D28.1 ; v1(26.95,53.66) 26.96,53.66 26.96,53.7 27.3,54.04 C338.2 ; C404.2 52.68,69.74 52.88,69.54 v1(52.93,69.54) 52.97,69.5 C410.2 54.34,69.5 v1(54.51,69.33) ; C402.2 45.35,19.13 45.31,19.09 v1(45.31,18.61) ; U26.E7 73.24,63.91 v1(73.48,63.67) ; R299.2 54.01,28.79 54.38,28.41 ; J16.7 82.47,75.64 v1(83.06,76.22) ; U26.J5 71.57,64.41 v1(71.85,64.41) 72.06,64.61 U26.G5 ; C387.2 v1(48.8,35.52) ; v1(52.88,77.44) 52.88,76.62 53.01,76.49 J15.13 ; 11.77,41.8 v1(11.77,41.7) ; C475.2 v1(77.34,41.42) ; v1(68.1,63.77) 68.1,63.94 U26.P6 ; 79.6,20.31 v1(79.6,21.38) ; D25.1 v1(19.64,63.36) ; C474.2 78.31,38.17 78.72,38.58 v1(78.79,38.58) ; C432.2 v1(59.31,34.26) ; 60.98,29.14 61.08,29.04 v1(61.08,28.95) ; 66.75,26.21 66.06,26.21 C456.2